# KiCad board RP2040_motor-rounded.kicad_pcb (continued)
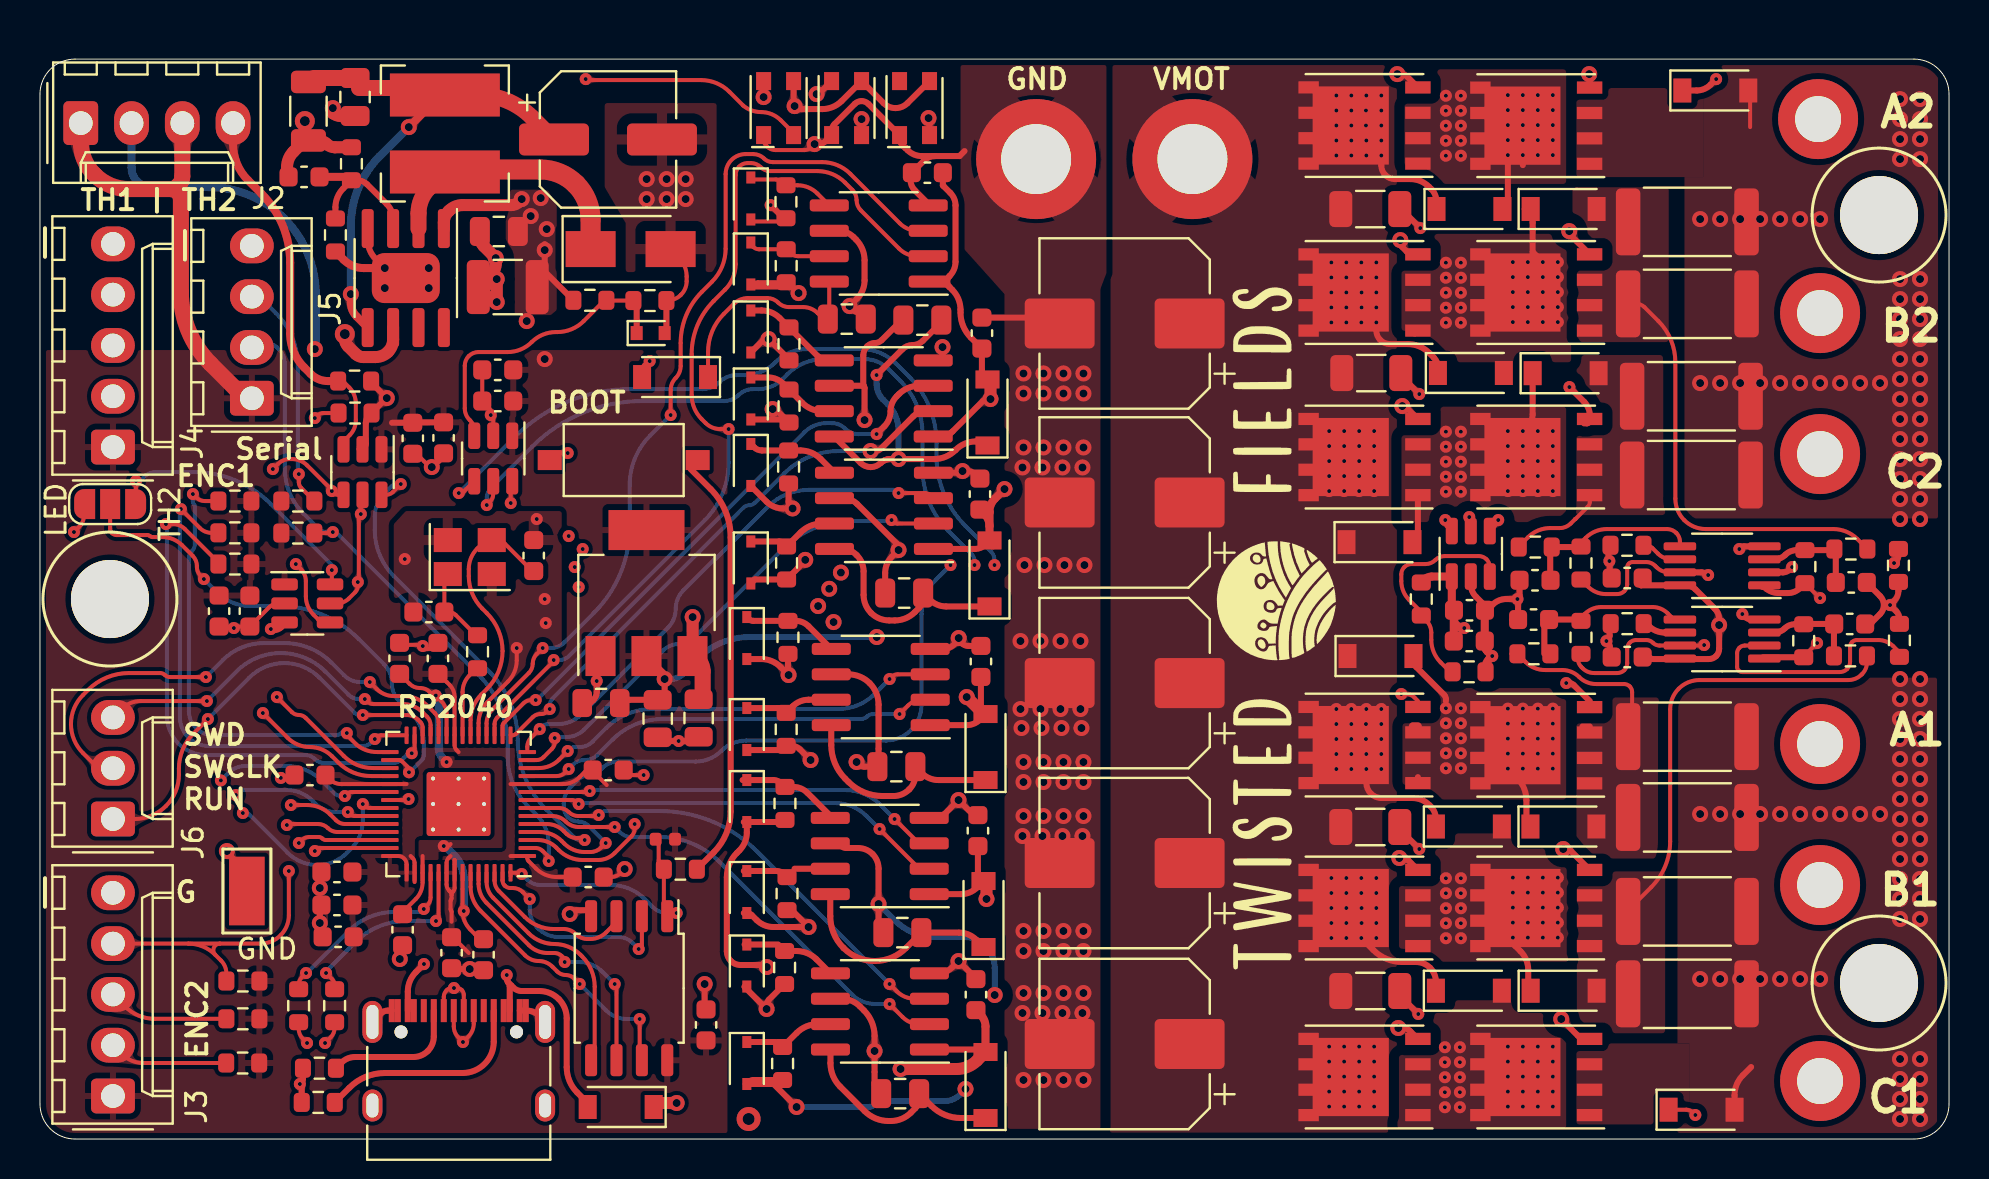
[diagram p0: board, top side]
## Routing (per net, layer and track width the routed paths; a pad name or vN(x,y) marks a point on that pad's centre or on a via; arc(x,y) is an arc through that point) (continued)
  Top w0.4: 14.8,37.9 14.41,37.9 arc(13.94,37.99) 13.54,38.26 13.21,38.59 arc(12.69,39.36) 12.52,40.26 12.52,43.82 arc(12.14,45.68) 11.09,47.26 10.41,47.94 arc(9.85,48.77) 9.66,49.75 J2.4
TXO: length 34.7
  Top w0.2: R62.2 14.56,30.3 arc(14.6,30.31) 14.62,30.33 v1(14.65,30.35) ; U15.2 24.8,14.55 arc(24.98,14.51) 25.14,14.41 25.38,14.17 arc(25.43,14.09) 25.45,14 v1(25.45,13.9)
  Bottom w0.2: v1(14.65,30.35) 14.38,30.35 arc(14.12,30.4) 13.91,30.54 13.17,31.28 arc(12.49,32.3) 12.25,33.51 12.25,38.75 arc(12.17,39.17) 11.94,39.52 arc(11.59,39.75) 11.17,39.83 10.6,39.83 ; 14.8,30.45 14.8,30.4 arc(14.81,30.35) 14.84,30.31 21.95,23.2 arc(23.02,21.59) 23.4,19.7 23.4,19.1 arc(23.67,17.76) 24.42,16.62 24.85,16.2 arc(25.29,15.54) 25.45,14.75 v1(25.45,13.9)
VMOT: length 28.9
  Top w0.3: R64.1 25.25,43.37 25.25,44.75 ; v1(66.85,40.83) 66.85,40.43 arc(66.9,40.17) 67.05,39.95 arc(67.27,39.8) 67.53,39.75 68.43,39.75 arc(69,39.64) 69.49,39.31 69.73,39.07 arc(69.88,38.85) 69.93,38.59 D19.1 ; v1(66.1,10.05) 66.7,9.45 arc(67.36,9.01) 68.15,8.85 68.84,8.85 arc(69.22,8.77) 69.54,8.56 arc(69.76,8.24) 69.83,7.86 D7.1 ; D17.1 69.83,16 arc(69.76,16.34) 69.57,16.63 69.49,16.71 arc(69.11,16.96) 68.67,17.05 67.12,17.05 arc(66.82,17.11) 66.58,17.28 arc(66.41,17.52) 66.35,17.82 v1(66.35,18.5) ; D29.1 69.86,46.87 arc(69.79,47.21) 69.6,47.5 69.48,47.62 arc(69.06,47.9) 68.56,48 67.78,48 arc(67.52,48.05) 67.3,48.2 arc(67.15,48.42) 67.1,48.68 v1(67.1,49.18)
  Top w0.6: v2(24.1,47) 23.95,46.85 arc(23.78,46.74) 23.59,46.7 21.14,46.7 arc(20.78,46.63) 20.48,46.43 20.43,46.38 arc(20.26,46.13) 20.2,45.84 U11.1
  Top w1.016: 65.19,50.33 65.43,50.57 ; 65.19,19.64 65.43,19.89
  vias: v1(64.49,35.4) v1(64.49,34.65) v1(64.49,33.9) v1(64.49,33.15) v1(64.49,32.4) v1(64.49,4.62) v1(64.49,3.87) v1(64.49,3.12) v1(64.49,2.37) v1(64.49,1.62) v1(64.6,43.83) v1(64.6,43.08) v1(64.6,42.33) v1(64.6,41.58) v1(64.6,40.83) v1(64.6,13.05) v1(64.6,12.3) v1(64.6,11.55) v1(64.6,10.8) v1(64.6,10.05) v1(64.85,52.18) v1(64.85,51.43) v1(64.85,50.68) v1(64.85,49.93) v1(64.85,49.18) v1(64.85,21.5) v1(64.85,20.75) v1(64.85,20) v1(64.85,19.25) v1(64.85,18.5) v1(65.24,35.4) v1(65.24,34.65) v1(65.24,33.9) v1(65.24,33.15) v1(65.24,32.4) v1(65.24,4.62) v1(65.24,3.87) v1(65.24,3.12) v1(65.24,2.37) v1(65.24,1.62) v1(65.35,43.83) v1(65.35,43.08) v1(65.35,42.33) v1(65.35,41.58) v1(65.35,40.83) v1(65.35,13.05) v1(65.35,12.3) v1(65.35,11.55) v1(65.35,10.8) v1(65.35,10.05) v1(65.6,52.18) v1(65.6,51.43) v1(65.6,50.68) v1(65.6,49.93) v1(65.6,49.18) v1(65.6,21.5) v1(65.6,20.75) v1(65.6,20) v1(65.6,19.25) v1(65.6,18.5) v1(65.99,35.4) v1(65.99,34.65) v1(65.99,33.9) v1(65.99,33.15) v1(65.99,32.4) v1(65.99,4.62) v1(65.99,3.87) v1(65.99,3.12) v1(65.99,2.37) v1(65.99,1.62) v1(66.1,43.83) v1(66.1,43.08) v1(66.11,42.33) v1(66.11,41.58) v1(66.1,40.83) v1(66.1,13.05) v1(66.1,12.3) v1(66.11,11.55) v1(66.11,10.8) v1(66.35,52.18) v1(66.33,51.43) v1(66.33,50.68) v1(66.35,49.93) v1(66.35,49.18) v1(66.35,21.5) v1(66.33,20.75) v1(66.33,20) v1(66.35,19.25) v1(66.74,35.4) v1(66.74,34.65) v1(66.74,33.9) v1(66.74,33.15) v1(66.74,32.4) v1(66.74,4.62) v1(66.74,3.87) v1(66.74,3.12) v1(66.74,2.37) v1(66.74,1.62) v1(66.85,43.83) v1(66.85,43.08) v1(66.85,42.33) v1(66.85,41.58) v1(66.85,13.05) v1(66.85,12.3) v1(66.85,11.55) v1(66.85,10.8) v1(66.85,10.05) v1(67.1,52.18) v1(67.1,51.43) v1(67.1,50.68) v1(67.1,49.93) v1(67.1,21.5) v1(67.1,20.75) v1(67.1,20) v1(67.1,19.25) v1(67.1,18.5) v2(24.35,40.9) v2(24.55,46.15) v2(25.05,47.05) v2(25.25,44.45) v2(25.35,45.5)
VSENSE1A: length 9.2
  Top w0.2: 79.65,20.12 79.65,22.34 arc(79.62,22.5) 79.53,22.63 arc(79.4,22.72) 79.24,22.75 77.84,22.75 arc(77.39,22.84) 77,23.1 arc(76.61,23.36) 76.16,23.45 75.29,23.45 arc(74.76,23.56) 74.31,23.86 73.93,24.24 arc(73.91,24.24) 73.91,24.23 73.91,24.2 ; 73.61,24.26 73.75,24.26
  Top w0.3: 77.53,20.63 77.16,20.63
VSENSE1B: length 22.6
  Top w0.2: 91.69,24.16 91.54,24.16 arc(91.44,24.11) 91.39,24.01 91.39,23.83 arc(91.33,23.52) 91.16,23.26 91.12,23.22 arc(90.82,23.02) 90.47,22.95 83.02,22.95 arc(82.46,22.84) 81.98,22.52 arc(81.66,22.04) 81.55,21.48 81.55,14.89 arc(81.3,13.64) 80.6,12.59 79.77,11.76 arc(79.68,11.62) 79.65,11.46 79.65,11.28
VSENSE2B: length 21.6
  Top w0.2: 79.65,41.76 79.87,41.76 arc(80.08,41.72) 80.26,41.6 80.95,40.91 arc(81.59,39.96) 81.81,38.84 81.81,32.02 arc(81.93,31.44) 82.26,30.94 arc(82.75,30.62) 83.33,30.5 89.71,30.5 arc(90.36,30.37) 90.92,30 R18.1
VSENSE2C: length 4.6
  Top w0.2: R3.1 73.98,29.61 arc(73.98,29.62) 73.98,29.63 74.44,30.09 arc(74.95,30.43) 75.55,30.55 76.03,30.55 arc(76.33,30.61) 76.58,30.78 76.8,31 arc(76.8,31) 76.8,31 arc(76.81,31) 76.81,31 77.44,31.63 arc(77.51,31.73) 77.53,31.85 77.53,31.97
Net-(AH1-Pad2): length 35.1
  Top w0.2: 68.93,21.91 68.76,22.08 arc(68.57,22.21) 68.34,22.25 v1(68.1,22.25)
  Top w0.3: D22.2 36.97,19.45 arc(37.11,19.48) 37.22,19.56 arc(37.34,19.63) 37.48,19.66 37.58,19.66 arc(37.82,19.61) 38.02,19.48 v2(38.55,18.95)
  In2.Cu w0.3: v1(68.1,22.25) 67.98,22.38 arc(67.84,22.47) 67.67,22.5 62.51,22.5 arc(60.62,22.12) 59.01,21.05 arc(57.4,19.98) 55.51,19.6 39.66,19.6 arc(39.24,19.52) 38.88,19.28 v2(38.55,18.95)
Net-(AH2-Pad2): length 50.2
  Top w0.2: R37.2 35.92,42.84 arc(35.78,42.81) 35.66,42.73 arc(35.65,42.67) 35.71,42.63
  Top w0.3: 68.93,52.58 68.39,53.12 arc(68.25,53.22) 68.08,53.25 v2(67.9,53.25) ; 35.71,42.63 37.62,42.63 v2(37.95,42.3)
  In2.Cu w0.3: v2(67.9,53.25) 68.01,53.14 arc(68.08,53.03) 68.11,52.89 68.11,49.82 arc(67.94,48.97) 67.46,48.25 arc(66.74,47.77) 65.89,47.6 64.55,47.6 arc(62.47,47.19) 60.71,46.01 60.67,45.98 arc(58.88,44.77) 56.75,44.35 48.14,44.35 arc(45.89,44.8) 43.97,46.08 arc(42.06,47.35) 39.81,47.8 36.86,47.8 arc(36.43,47.72) 36.08,47.47 arc(35.83,47.12) 35.75,46.69 35.75,46.25 arc(35.92,45.42) 36.39,44.71 37.65,43.45 arc(37.87,43.12) 37.95,42.72 v2(37.95,42.3)
Net-(AL1-Pad2): length 44.3
  Top w0.3: 77.53,21.9 76.72,22.7 arc(76.62,22.77) 76.49,22.8 v1(76.35,22.8) ; R35.2 37.42,23.25 arc(37.42,23.23) 37.43,23.22 v2(37.45,23.2) 37.05,23.6 arc(36.61,23.9) 36.08,24 D23.2
  In2.Cu w0.3: v2(37.45,23.2) 37.7,23.45 arc(37.98,23.64) 38.3,23.7 46.12,23.7 arc(46.25,23.67) 46.36,23.6 arc(46.47,23.53) 46.6,23.5 72.36,23.5 arc(72.68,23.44) 72.96,23.25 arc(73.24,23.06) 73.56,23 76.01,23 arc(76.14,22.97) 76.25,22.9 v1(76.35,22.8)
Net-(AL2-Pad2): length 51.8
  Top w0.2: 35.56,45.88 37.05,45.88 arc(37.15,45.9) 37.24,45.96 37.28,46 arc(37.29,46.03) 37.26,46.04
  Top w0.3: 77.53,52.58 77.53,53.25 arc(77.53,53.27) 77.52,53.29 77.5,53.3 ; v1(36.55,46.7) 37.17,46.08 arc(37.21,46.05) 37.26,46.04
  In2.Cu w0.3: v2(77.5,53.25) 76.97,53.25 arc(76.87,53.27) 76.78,53.33 arc(76.7,53.38) 76.6,53.4 69.49,53.4 arc(69.23,53.35) 69.01,53.2 arc(68.86,52.98) 68.81,52.72 68.81,49.99 arc(68.57,48.81) 67.9,47.81 arc(66.9,47.14) 65.72,46.9 65,46.9 arc(63.15,46.53) 61.59,45.49 61.02,44.93 arc(58.84,43.46) 56.26,42.95 48.51,42.95 arc(45.87,43.48) 43.62,44.97 43.28,45.32 arc(41.42,46.56) 39.22,47 37.06,47 arc(36.87,46.96) 36.7,46.85 v1(36.55,46.7)
Net-(BH1-Pad2): length 36.7
  Top w0.3: BH1.2 68.45,13.93 arc(68.32,14.02) 68.17,14.05 v2(68,14.05) ; 35.21,11.3 35.36,11.3 arc(35.49,11.27) 35.6,11.2 35.85,10.95 arc(36.24,10.69) 36.69,10.6 v2(38.45,10.6) 37.69,11.36 arc(37.6,11.42) 37.49,11.44 R19.2
  In2.Cu w0.3: v2(38.45,10.6) 41.66,10.6 arc(42.02,10.67) 42.32,10.87 arc(42.63,11.08) 42.99,11.15 57.24,11.15 arc(59.24,11.55) 60.92,12.67 arc(62.61,13.8) 64.61,14.2 67.74,14.2 arc(67.84,14.18) 67.92,14.12 v2(68,14.05) 68.05,14
Net-(BH2-Pad2): length 41.6
  Top w0.3: v2(36.65,36.5) 36.72,36.5 arc(36.79,36.49) 36.85,36.45 37.39,35.9 arc(37.31,35.96) 37.21,35.98 D15.2 ; 68.93,44.35 68.93,44.29 arc(68.91,44.25) 68.87,44.23 68.72,44.23 arc(68.53,44.27) 68.37,44.38 68.14,44.61 arc(68.07,44.71) 68.05,44.83 v2(68.05,44.95)
  In2.Cu w0.3: v2(68.05,44.95) 68.23,44.78 arc(68.35,44.58) 68.4,44.35 68.4,42.44 arc(68.12,41.01) 67.3,39.8 arc(66.09,38.98) 64.66,38.7 61.62,38.7 arc(59.98,38.38) 58.6,37.45 arc(57.22,36.52) 55.58,36.2 45.71,36.2 arc(45.39,36.26) 45.11,36.45 arc(44.83,36.64) 44.51,36.7 39.07,36.7 arc(38.88,36.66) 38.71,36.55 arc(38.54,36.44) 38.35,36.4 36.82,36.4 arc(36.76,36.41) 36.7,36.45 v2(36.65,36.5)
Net-(BL1-Pad2): length 57.2
  Top w0.3: v2(76.2,14.5) 76.34,14.5 arc(76.47,14.47) 76.59,14.4 77.49,13.5 arc(77.52,13.49) 77.53,13.51 77.53,13.57 ; 35.21,15.85 37.09,15.85 arc(37.16,15.86) 37.22,15.9 R20.2 ; v2(36.36,8.6) 36.31,8.65 arc(36.25,8.69) 36.19,8.7 35.04,8.7 arc(34.78,8.75) 34.56,8.9 arc(34.41,9.12) 34.36,9.38 34.36,13.09 arc(34.49,13.75) 34.86,14.3 34.99,14.43 arc(35.26,14.84) 35.36,15.33 D13.2
  In2.Cu w0.3: v2(36.36,8.6) 36.46,8.7 arc(36.57,8.77) 36.7,8.8 42.52,8.8 arc(43.11,8.68) 43.61,8.35 arc(44.11,8.02) 44.7,7.9 46.01,7.9 arc(46.33,7.96) 46.61,8.15 arc(46.89,8.34) 47.21,8.4 64.27,8.4 arc(66.01,8.75) 67.48,9.73 68.28,10.53 68.28,12.12 arc(68.36,12.5) 68.57,12.82 70.56,14.81 arc(70.88,15.02) 71.26,15.1 75.18,15.1 arc(75.57,15.02) 75.9,14.8 v2(76.2,14.5)
Net-(BL2-Pad2): length 47.3
  Top w0.3: 77.53,44.23 76.55,45.22 arc(76.51,45.27) 76.5,45.33 v2(76.5,45.4) ; R25.2 37.47,38.96 arc(37.46,38.98) 37.45,39 v2(36.45,40) 36.34,40 arc(36.24,39.98) 36.15,39.92 D16.2
  In2.Cu w0.3: v2(36.45,40) 41.49,40 arc(42.47,39.81) 43.3,39.25 arc(44.13,38.69) 45.11,38.5 45.67,38.5 arc(47.18,38.8) 48.45,39.65 arc(49.72,40.5) 51.23,40.8 56.27,40.8 arc(59.39,41.42) 62.04,43.19 63.37,44.52 arc(64.62,45.36) 66.1,45.65 67.13,45.65 arc(67.66,45.75) 68.1,46.05 68.18,46.13 arc(68.53,46.37) 68.95,46.45 arc(69.37,46.37) 69.72,46.13 69.73,46.12 arc(70.08,45.88) 70.51,45.8 75.82,45.8 arc(76.08,45.75) 76.3,45.6 v2(76.5,45.4)
Net-(C8-Pad2): length 10.8
  Top w0.3: D1.1 46.06,1.05 arc(45.27,1.21) 44.59,1.66 44.17,2.08 arc(44.05,2.1) 43.98,2 arc(43.93,1.75) 43.79,1.54 43.57,1.32 arc(43.11,1.01) 42.56,0.9 42.45,0.9 arc(41.8,1.03) 41.26,1.39 40.03,2.62 arc(39.67,3.16) 39.54,3.79 U1.8
Net-(C9-Pad2): length 11.1
  Top w0.3: U2.8 40.14,29.5 arc(40.51,29.43) 40.83,29.22 40.87,29.18 arc(41.12,28.81) 41.2,28.39 41.2,27.21 arc(41.3,26.72) 41.58,26.3 arc(41.99,26.03) 42.48,25.93 42.76,25.93 arc(43.31,26.04) 43.77,26.35 43.99,26.57 arc(44.13,26.78) 44.18,27.03 arc(44.25,27.13) 44.37,27.11 44.52,26.97 arc(44.89,26.72) 45.32,26.63 D2.1
Net-(C12-Pad2): length 10.8
  Top w0.3: U4.8 39.53,11.15 arc(39.71,10.29) 40.19,9.56 40.21,9.54 arc(40.92,9.07) 41.76,8.9 arc(42.6,9.07) 43.31,9.54 C12.2 45.97,10.32 arc(46.44,10.23) 46.84,9.96 D11.1
Net-(C13-Pad2): length 18.5
  Top w0.3: v2(42.95,34) 42.53,34 ; 42.53,34 44.73,34 arc(45.3,34.11) 45.79,34.44 45.82,34.47 arc(46.27,34.77) 46.81,34.88 47.4,34.88 ; 42.53,34 arc(42.27,33.95) 42.05,33.8 ; 42.53,34 arc(42.27,33.95) 42.05,33.8 ; C13.2 45.09,40.9 arc(45.08,40.85) 45.05,40.8 44.16,39.91 arc(43.93,39.76) 43.65,39.7 arc(43.37,39.64) 43.14,39.49 v1(41.85,38.2) ; U5.8 41.05,33.81 arc(41.28,33.65) 41.55,33.6 41.57,33.6 arc(41.83,33.65) 42.05,33.8
  Bottom w0.3: v1(41.85,38.2) 41.85,37.75 arc(41.93,37.33) 42.17,36.98 42.4,36.75 arc(42.81,36.14) 42.95,35.42 v2(42.95,34)
Net-(C16-Pad2): length 10.9
  Top w0.3: D21.1 44.93,17.95 arc(44.5,18.04) 44.13,18.28 44.08,18.33 arc(43.9,18.36) 43.79,18.21 arc(43.71,17.82) 43.5,17.5 43.47,17.47 arc(43.12,17.23) 42.7,17.15 42.15,17.15 arc(41.23,17.33) 40.44,17.86 40.28,18.02 arc(39.77,18.79) 39.58,19.71 U7.8
Net-(C17-Pad2): length 11.1
  Top w0.2: U8.8 39.48,41.13 arc(39.47,41.08) 39.45,41.04 arc(39.41,41.01) 39.36,41 39.3,41 arc(39.21,41.02) 39.13,41.07 38.9,41.3 arc(38.57,41.52) 38.18,41.6 37.47,41.6 arc(37.17,41.66) 36.92,41.83 arc(36.68,41.99) 36.38,42.05 35.42,42.05 arc(35.03,41.97) 34.7,41.75 34.21,41.26 arc(33.63,40.38) 33.42,39.35 D24.1
Net-(C28-Pad1): length 4.3
  Top w0.2: Y1.1 20.31,28.17 arc(20.25,28.07) 20.23,27.96 20.23,26.56 arc(20.29,26.41) 20.44,26.35 arc(20.63,26.31) 20.8,26.2 21.86,25.14 arc(21.91,25.1) 21.97,25.09 22.04,25.09 ; 21.84,25.19 21.86,25.19 arc(21.88,25.19) 21.89,25.2 21.94,25.25
Net-(C$7-Pad1): length 27.2
  Top w0.4: v2(15.55,42.25) 15.55,41.83 arc(15.63,41.45) 15.84,41.13 U11.5 ; v2(18.45,50.6) 19.98,52.13 arc(20.06,52.19) 20.16,52.2 arc(20.19,52.23) 20.18,52.28 ; 13.35,52.78 13.27,52.7
  Top w0.8: 15.96,52.56 19.66,52.56 arc(19.89,52.51) 20.08,52.38 20.18,52.28 arc(20.26,52.22) 20.36,52.2 ; 20.36,52.2 21.92,52.2 arc(23.37,51.92) 24.6,51.09 C24.1 ; 20.36,52.2 20.16,52.2 ; C$7.1 13.77,53.06 arc(13.64,53.03) 13.53,52.96 13.35,52.78
  Bottom w0.4: v2(15.55,42.25) 15.55,45.65 arc(15.93,47.54) 17,49.15 v2(18.45,50.6)
Net-(CH1-Pad2): length 37.8
  Top w0.3: R4.2 35.7,2.95 arc(35.57,2.92) 35.46,2.85 D3.2 ; 35.3,2.75 36.7,2.75 v2(37.85,1.6) ; v2(67.95,5.55) 68.17,5.55 arc(68.37,5.51) 68.54,5.4 CH1.2
  In2.Cu w0.3: v2(67.95,5.55) 67.83,5.67 arc(67.69,5.77) 67.52,5.8 63.58,5.8 arc(60.97,5.28) 58.75,3.8 arc(56.53,2.32) 53.92,1.8 47.49,1.8 arc(47.04,1.89) 46.65,2.15 v2(46.3,2.5)
  Bottom w0.3: v2(46.3,2.5) 46,2.2 arc(45.67,1.98) 45.28,1.9 42.16,1.9 arc(41.97,1.86) 41.8,1.75 arc(41.63,1.64) 41.44,1.6 v2(37.85,1.6)
Net-(CH2-Pad2): length 36.7
  Top w0.3: CH2.2 68.33,36.6 arc(68.28,36.64) 68.22,36.65 v2(68.15,36.65) ; v2(38.28,28.96) 38.28,28.94 arc(38.28,28.91) 38.27,28.9 R7.2 35.76,27.98 D5.2
  In2.Cu w0.3: v2(38.28,28.96) 40.14,30.81 arc(41.01,31.4) 42.04,31.6 43.01,31.6 arc(43.14,31.57) 43.25,31.5 arc(43.36,31.43) 43.49,31.4 48.14,31.4 arc(48.99,31.57) 49.71,32.05 arc(50.43,32.53) 51.28,32.7 54.06,32.7 arc(56.74,33.23) 59.01,34.75 arc(61.28,36.27) 63.96,36.8 67.89,36.8 arc(67.99,36.78) 68.08,36.72 v2(68.15,36.65)
Net-(CL1-Pad2): length 46.4
  Top w0.3: v2(76.1,6) 76.94,5.16 arc(77.11,5.04) 77.31,5 77.53,5 ; 35.25,7.62 35.25,7.61 arc(35.25,7.6) 35.26,7.59 v2(36.35,6.5) 36.35,6.67 arc(36.38,6.84) 36.47,6.97 R5.2
  In2.Cu w0.3: v2(76.1,6) 75.55,6.55 arc(74.94,6.96) 74.22,7.1 59.5,7.1 arc(57.8,6.76) 56.36,5.8 arc(54.92,4.84) 53.22,4.5 49.11,4.5 arc(48.32,4.66) 47.66,5.1 arc(47,5.54) 46.21,5.7 37.72,5.7 arc(37.19,5.8) 36.75,6.1 v2(36.35,6.5)
Net-(CL2-Pad2): length 54.1
  Top w0.3: 77.24,35.78 77.39,35.78 arc(77.49,35.83) 77.53,35.93 77.53,36.18 arc(77.46,36.55) 77.25,36.86 v1(76.51,37.6) ; R8.2 37.45,31.87 arc(37.48,31.74) 37.55,31.63 v2(37.65,31.53) 37.17,31.53 arc(36.72,31.62) 36.34,31.87 D6.2
  In2.Cu w0.3: v1(76.51,37.6) 73.37,37.6 arc(71.32,37.19) 69.58,36.03 69.06,35.51 arc(68.28,34.35) 68.01,32.98 68.01,31.99 arc(67.92,31.54) 67.66,31.15 arc(67.27,30.89) 66.82,30.8 45.7,30.8 arc(45.38,30.74) 45.1,30.55 arc(44.82,30.36) 44.5,30.3 42.45,30.3 arc(40.88,29.99) 39.55,29.1 38.56,28.11 arc(38.33,27.96) 38.05,27.9 arc(37.77,27.96) 37.54,28.11 37.4,28.25 arc(37.14,28.64) 37.05,29.09 37.05,30.51 arc(37.13,30.9) 37.35,31.23 v2(37.65,31.53)
  Bottom w0.3: v2(37.65,31.53) 37.72,31.6
Net-(D3-Pad1): length 4.6
  Top w0.3: U1.7 38.92,5.75 arc(38.34,5.63) 37.85,5.3 37.27,4.73 arc(37.15,4.67) 37.02,4.72 arc(36.89,4.82) 36.72,4.85 D3.1
Net-(D4-Pad1): length 4.4
  Top w0.3: R5.1 37.84,9.4 arc(38.38,9.29) 38.85,8.98 U1.5 ; 35.25,9.72 36.92,9.72
Net-(D5-Pad1): length 4.6
  Top w0.3: D5.1 36.98,29.88 arc(37.11,29.84) 37.22,29.75 arc(37.35,29.7) 37.47,29.76 38.05,30.33 arc(38.54,30.66) 39.12,30.78 39.74,30.78
Net-(D6-Pad1): length 5.1
  Top w0.3: 37.88,34.43 36.11,34.43 arc(35.9,34.47) 35.72,34.59 D6.1 ; U2.5 39.05,34.01 arc(38.58,34.32) 38.04,34.43 R8.1
Net-(D12-Pad1): length 4
  Top w0.3: 35.21,13.4 36.85,13.4 arc(37.05,13.36) 37.22,13.25 R19.1 ; U4.7 37.75,13.52
Net-(D13-Pad1): length 5
  Top w0.3: 35.3,17.95 36.68,17.95 arc(36.91,17.91) 37.1,17.78 arc(37.29,17.65) 37.51,17.61 37.68,17.61 arc(38.06,17.53) 38.39,17.31 39.49,16.21 arc(39.52,16.16) 39.53,16.11 U4.5 ; 35.21,17.95 35.15,17.95
Net-(D15-Pad1): length 4.8
  Top w0.3: U5.7 39.14,36.39 arc(38.6,36.5) 38.13,36.81 R24.1 37.17,37.78 arc(36.83,38) 36.44,38.08 D15.1
Net-(D16-Pad1): length 5.1
  Top w0.3: D16.1 36.09,41.43 arc(36.58,41.33) 37,41.05 38.9,39.15 arc(39.14,38.99) 39.43,38.94 U5.5
Net-(D22-Pad1): length 4.5
  Top w0.3: D22.1 36.92,21.55 arc(37.08,21.52) 37.21,21.43 arc(37.33,21.38) 37.45,21.43 37.66,21.64 arc(38.02,21.88) 38.45,21.97 39.55,21.97 arc(39.56,21.96) 39.56,21.94 39.53,21.91
Net-(D23-Pad1): length 5.4
  Top w0.3: U7.5 38.45,25.64 arc(38.15,25.84) 37.8,25.91 37.55,25.91 ; 37.32,26 37.23,26.1 ; 37.32,26 arc(37.34,25.94) 37.28,25.91 ; 37.32,26 arc(37.43,25.93) 37.55,25.91 ; D23.1 35.45,26 arc(35.56,25.93) 35.68,25.91 37.28,25.91 ; 37.55,25.91 37.28,25.91
Net-(D25-Pad1): length 4.1
  Top w0.2: 35.56,44.73 35.68,44.61 arc(35.81,44.52) 35.97,44.49 37.09,44.49 arc(37.31,44.45) 37.5,44.32 arc(37.69,44.19) 37.92,44.14 U8.7
Net-(D26-Pad1): length 4.4
  Top w0.2: 35.56,47.98 36.82,47.98 arc(37.01,47.94) 37.17,47.83 arc(37.33,47.73) 37.52,47.69 37.9,47.69 arc(38.43,47.58) 38.89,47.28 U8.5
Net-(D32-Pad1): length 13.5
  Top w0.8: 20.19,48.29 19.47,47.57 arc(19.07,46.98) 18.94,46.28 U11.2
  Top w1: D32.1 27.55,45.96 arc(27.35,46.93) 26.81,47.74 arc(25.99,48.29) 25.03,48.48 20.47,48.48 arc(20.39,48.46) 20.32,48.42 20.19,48.29
Net-(D33-Pad4): length 7.3
  Top w0.3: v2(41.1,51) D34.2 ; v2(36.2,52.1) D33.4
  In2.Cu w0.3: v2(36.2,52.1) 36.2,51.92 arc(36.23,51.76) 36.32,51.63 36.7,51.25 arc(37.25,50.88) 37.91,50.75 40.67,50.75 arc(40.84,50.78) 40.97,50.88 v2(41.1,51)
Net-(D34-Pad4): length 8.5
  Top w0.3: D34.4 38.99,52.29 arc(38.95,52.26) 38.9,52.25 v2(38.85,52.25) ; v2(44.45,51.05) 44.47,51.03 arc(44.49,51) 44.5,50.96 D35.2
  In2.Cu w0.3: v2(38.85,52.25) 39.15,52.55 arc(39.48,52.77) 39.87,52.85 41.38,52.85 arc(42.55,52.62) 43.55,51.95 v2(44.45,51.05)
  Bottom w0.3: v2(38.85,52.25) 39.05,52.25
Net-(D36-Pad1): length 14.7
  Top w0.2: 29.44,41.93 28.36,41.93 arc(28.35,41.93) 28.34,41.93 arc(28.33,41.94) 28.32,41.94 28.29,41.94 arc(28.24,41.93) 28.21,41.91 27.2,40.9 arc(26.59,40.49) 25.88,40.35 25.81,40.35 arc(25.15,40.22) 24.6,39.85 arc(24.05,39.48) 23.39,39.35 21.93,39.35 arc(21.67,39.3) 21.45,39.15 arc(21.3,38.93) 21.25,38.67 21.25,36.54 arc(21.31,36.23) 21.49,35.96 21.53,35.92 arc(21.67,35.7) 21.72,35.45 U16.3
  Top w0.3: D36.1 29.85,41.65 arc(29.83,41.75) 29.77,41.84 R65.1
Net-(J1-PadA5): length 7
  Top w0.3: R43.2 15.08,3.82 arc(15.4,4.03) 15.76,4.1 18.68,4.1 arc(19.07,4.18) 19.4,4.4 arc(19.62,4.73) 19.7,5.12 J1.A5
Net-(J1-PadB5): length 10.9
  Top w0.3: J1.B5 22.7,4.86 arc(22.24,3.76) 21.14,3.3 17.25,3.3 arc(16.29,3.11) 15.48,2.56 R44.1
Net-(R9-Pad1): length 2.2
  Top w0.2: U3.6 81.63,28.98 arc(81.26,29.06) 80.94,29.27 80.66,29.55 arc(80.5,29.65) 80.32,29.69 80.11,29.69
Net-(R10-Pad2): length 9
  Top w0.2: 82.04,29.64 82.04,29.88 arc(81.99,30.1) 81.87,30.29 81.85,30.31 arc(81.64,30.45) 81.39,30.5 78.38,30.5 arc(77.81,30.39) 77.33,30.06 76.88,29.61
  Top w0.3: R6.1 75.56,27.95 arc(75.55,27.96) 75.55,27.97 75.55,29.47 arc(75.56,29.52) 75.59,29.56 arc(75.63,29.59) 75.68,29.6 76.85,29.6 arc(76.86,29.6) 76.88,29.61
Net-(R13-Pad2): length 5.5
  Top w0.3: 86.14,25.33 86.78,25.33 arc(87.05,25.38) 87.28,25.53 arc(87.51,25.69) 87.78,25.74 88.32,25.74 arc(88.33,25.74) 88.34,25.75 arc(88.35,25.75) 88.36,25.75 89.83,25.75 arc(89.92,25.7) 89.9,25.6 arc(89.78,25.42) 89.74,25.22 R13.2
Net-(R17-Pad1): length 12.2
  Top w0.2: R17.1 93.02,24.22 arc(93,24.32) 92.94,24.41 92.71,24.64 arc(92.37,24.87) 91.96,24.95 90.89,24.95 arc(90.76,24.92) 90.65,24.85 arc(90.58,24.74) 90.55,24.61 90.55,23.86 arc(90.51,23.67) 90.4,23.5 arc(90.23,23.39) 90.04,23.35 85.16,23.35 arc(85.06,23.37) 84.98,23.42 arc(84.92,23.51) 84.9,23.61 84.9,24.29 arc(84.93,24.44) 85.01,24.56 arc(85.14,24.65) 85.28,24.67 U6.2
Net-(R18-Pad2): length 5.4
  Top w0.3: 86.14,28.98 86.76,28.98 arc(87.06,29.04) 87.31,29.22 arc(87.57,29.39) 87.87,29.44 89.67,29.44 arc(89.71,29.45) 89.74,29.47 arc(89.77,29.48) 89.79,29.47 89.8,29.47 arc(89.83,29.43) 89.83,29.38 R21.1
Net-(R23-Pad1): length 7.6
  Top w0.3: v1(92.75,28.8) 92.86,28.91 arc(92.94,29.03) 92.97,29.18 92.97,29.5 ; 86.14,28.33 87.2,28.33 arc(87.37,28.37) 87.52,28.47 v1(87.65,28.6)
  In2.Cu w0.3: v1(87.65,28.6) 92.41,28.6 arc(92.54,28.63) 92.65,28.7 v1(92.75,28.8)
Net-(R31-Pad2): length 9
  Top w0.2: U6.5 81.89,25.97 arc(81.75,26) 81.63,26.08 81.42,26.29 arc(81.08,26.52) 80.67,26.6 78.11,26.6 arc(77.66,26.51) 77.28,26.25 76.96,25.94
  Top w0.3: 75.26,24.26 75.26,25.87 arc(75.25,25.91) 75.23,25.94 arc(75.22,25.96) 75.24,25.97 76.82,25.97 arc(76.86,25.97) 76.9,25.94 arc(76.93,25.93) 76.96,25.94
Net-(R33-Pad1): length 2.1
  Top w0.3: U6.6 81.27,25.33 arc(80.85,25.41) 80.49,25.65 80.17,25.97
Net-(R45-Pad1): length 11.4
  Top w0.2: U9.3 72.53,28.59 arc(72.48,28.81) 72.36,28.99 arc(72.18,29.11) 71.97,29.15 70.28,29.15 arc(70.02,29.1) 69.8,28.95 arc(69.58,28.8) 69.32,28.75 68.61,28.75 arc(68.42,28.71) 68.25,28.6 arc(68.14,28.43) 68.1,28.24 68.1,27.9 arc(68.2,27.39) 68.49,26.96 69.04,26.41 arc(69.08,26.34) 69.1,26.26 arc(69.12,26.18) 69.16,26.11 69.35,25.92 arc(69.54,25.65) 69.6,25.32 69.6,24.96 arc(69.72,24.35) 70.07,23.83 70.5,23.4 arc(70.54,23.37) 70.6,23.36 R45.1
Net-(R49-Pad2): length 8
  Top w0.3: U11.3 17.66,45.98 arc(17.58,46.4) 17.34,46.76 16.37,47.73 arc(16.14,47.89) 15.87,47.94 15.62,47.94 arc(15.6,47.93) 15.61,47.92 ; 15.61,47.92 15.78,47.74 ; 15.61,47.92 arc(15.58,47.93) 15.55,47.92 15.17,47.53 arc(14.88,47.1) 14.78,46.58 14.78,46.15 arc(14.74,46.07) 14.66,46.03 14.54,46.03
  Top w0.4: 13.94,48.11 15.29,48.11 arc(15.4,48.09) 15.49,48.03 15.55,47.97 ; 15.55,47.97 arc(15.57,47.94) 15.55,47.92 15.53,47.89 ; 15.55,47.97 arc(15.58,47.95) 15.62,47.94

## Copper pours and planes (outline as drawn; the poured copper is in the pictures)
+1V1 on Top: 18.94,14.95 22.54,14.95 22.54,18.35 19.94,18.35 19.94,19.15 20.74,19.15 20.74,18.95 23.14,18.95 23.14,14.55 20.34,14.55 20.34,14.35 19.94,14.35 19.94,13.95 18.94,13.95
+3V3 on Top: 18.14,19.55 23.74,19.55 23.74,13.95 18.14,13.95
+3V3 on Top: 7.52,49.07 7.52,49.26 7.54,49.43 7.56,49.57 7.58,49.7 7.62,49.82 7.66,49.93 7.71,50.03 7.77,50.15 7.83,50.28 7.9,50.42 7.12,51.23 6.34,50.42 6.41,50.28 6.47,50.15 6.53,50.03 6.58,49.93 6.62,49.82 6.66,49.7 6.68,49.57 6.7,49.43 6.72,49.26 6.72,49.07
+3V3 on Top: 0.09,39.45 34.39,39.45 34.39,-0.1 0.09,-0.1
+3V3 on Top: 2.58,49.15 2.52,49.32 2.49,49.47 2.48,49.6 2.49,49.72 2.52,49.83 2.57,49.94 2.62,50.05 2.75,50.29 2.82,50.42 2.04,51.23 1.26,50.42 1.34,50.25 1.4,50.1 1.45,49.96 1.5,49.83 1.54,49.7 1.58,49.57 1.63,49.42 1.68,49.26 1.75,49.07 1.83,48.86
+3V3 on In2.Cu: 42.66,25.82 42.55,25.76 42.46,25.71 42.32,25.62 42.25,25.59 42.19,25.56 42.12,25.53 42.05,25.51 41.96,25.5 41.86,25.5 41.68,25.01 42.17,24.85 42.24,24.94 42.29,25.02 42.37,25.17 42.42,25.24 42.46,25.3 42.52,25.36 42.59,25.42 42.68,25.49 42.79,25.55
+12V on Top: 47.74,31.61 47.79,31.72 47.83,31.8 47.88,31.87 47.94,31.93 48,31.97 48.06,32.01 48.13,32.04 48.21,32.07 48.38,32.12 48.39,32.64 47.87,32.63 47.83,32.53 47.78,32.44 47.74,32.36 47.69,32.29 47.58,32.16 47.53,32.08 47.47,31.99 47.42,31.88 47.37,31.75
+12V on Top: 16.12,39.46 16.02,39.51 15.94,39.56 15.87,39.62 15.81,39.68 15.77,39.75 15.74,39.82 15.73,39.9 15.72,39.98 15.73,40.07 15.74,40.15 15.19,40.49 15.07,39.78 15.18,39.72 15.27,39.65 15.33,39.56 15.39,39.46 15.44,39.36 15.49,39.26 15.56,39.16 15.64,39.06 15.76,38.97 15.91,38.9
+12V on In2.Cu: 32.51,2.8 32.39,2.72 32.29,2.65 32.2,2.57 32.13,2.5 32,2.36 31.93,2.31 31.87,2.26 31.8,2.21 31.72,2.18 31.71,1.66 32.23,1.67 32.26,1.74 32.29,1.81 32.32,1.87 32.37,1.93 32.42,1.99 32.48,2.05 32.55,2.1 32.63,2.16 32.72,2.23 32.82,2.29
+12V on In2.Cu: 15.96,41.14 15.83,41.1 15.73,41.06 15.64,41.01 15.56,40.97 15.42,40.88 15.35,40.84 15.28,40.8 15.2,40.76 15.11,40.73 15.07,40.08 15.72,40.08 15.79,40.26 15.81,40.32 15.84,40.37 15.88,40.42 15.92,40.46 15.98,40.5 16.04,40.54 16.13,40.57
+12V on In2.Cu: 14.1,50.34 14.03,50.41 13.97,50.47 13.92,50.53 13.87,50.59 13.84,50.65 13.81,50.7 13.79,50.76 13.77,50.82 13.76,50.89 13.75,50.97 13.11,51.11 13,50.47 13.08,50.42 13.15,50.38 13.21,50.33 13.27,50.29 13.33,50.24 13.38,50.19 13.44,50.14 13.51,50.07 13.67,49.91
+12V on In2.Cu: 33.57,25.67 33.47,25.72 33.39,25.78 33.32,25.83 33.25,25.89 33.2,25.94 33.15,25.99 33.11,26.05 33.08,26.11 33.05,26.17 33.03,26.23 32.51,26.24 32.52,25.72 32.59,25.69 32.66,25.65 32.72,25.6 32.78,25.55 32.9,25.43 32.98,25.36 33.06,25.29 33.15,25.22 33.27,25.15
GND on Top: 82.26,31.03 94.95,31.03 94.95,53.85 82.26,53.85
GND on Top: 21.93,42.32 22.05,42.3 22.15,42.32 22.25,42.35 22.33,42.4 22.41,42.45 22.48,42.51 22.55,42.56 22.61,42.59 22.68,42.61 22.76,42.61 23.03,43.08 22.54,43.25 22.51,43.21 22.44,43.1 22.41,43.05 22.37,43 22.32,42.96 22.27,42.92 22.22,42.9 22.15,42.89 22.07,42.9
GND on Top: 17.7,25.6 17.7,30.75 18.3,31.4 26.1,31.4 26.1,24.6 25.45,24.6 22.15,21.35 21.15,21.35 21.15,25.6
GND on Top: 82.5,4.78 76.68,4.78 76.68,0.73 82.5,0.73
GND on Top: 83.2,52.55 76.68,52.55 76.68,48.1 83.2,48.1
GND on Top: 33.85,43.35 29.3,43.35 29.3,45.8 28.25,47.6 28.25,51.8 33.85,51.8
GND on Top: 81.91,0 94.9,0 94.9,23.07 81.91,23.07
GND on Top, Bottom: 53.35,43.3 52.95,42.25 48.25,42.25 46.05,44.7 46.05,53.85 53.35,53.85
GND on Top, Bottom: 53.05,0.2 48.25,0.2 48.25,53.85 53.05,53.85
GND on In1.Cu: 0.36,-0.07 95.05,-0.07 95.05,53.75 0.36,53.75
